# Altium PCB SOM_MCU.PcbDoc (part 3 of 4)
Units mil, origin at the board's own origin, x right, y up, seen from the top; angles counter-clockwise.
Board outline 3385.83 x 1811.02 mil, 4 copper layers (Top Layer, Mid-Layer 1, Mid-Layer 3, Bottom Layer); 107 components, 185 nets, 882 pads, 645 vias.
Unrouted connection lines stored in the file: 5.
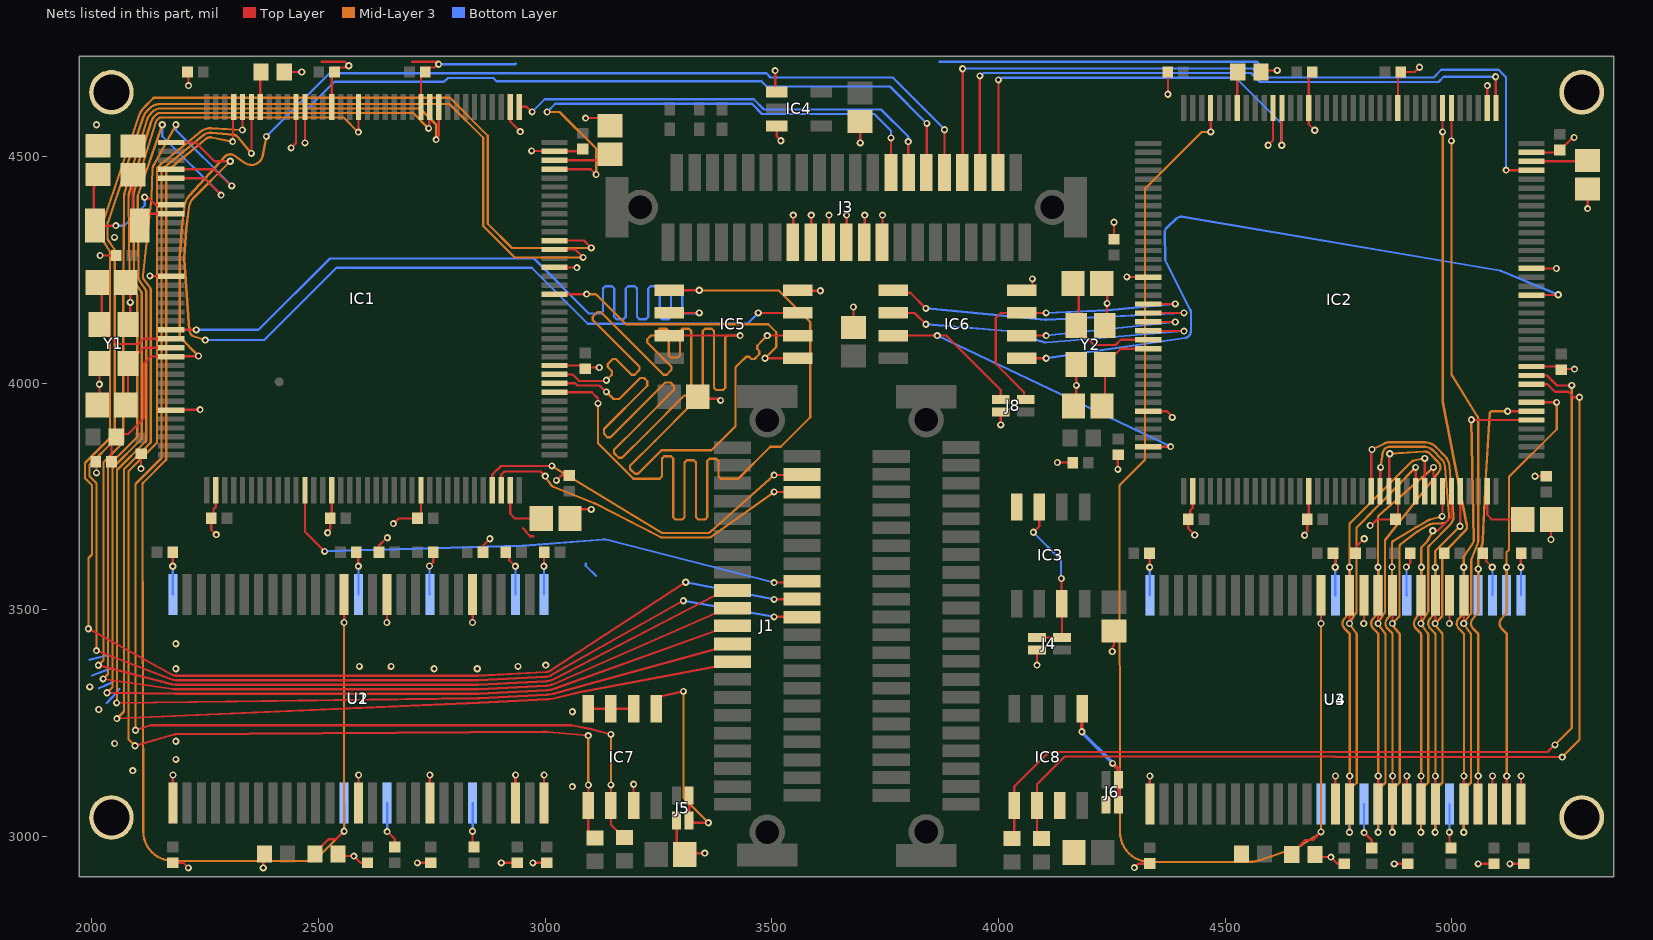
[diagram p5: the nets of this part, all layers, seen from the top]

## Via types
v1: diameter 15.75, hole 7.87, Top Layer to Bottom Layer, tented both sides, 639 vias
v2: diameter 15.75, hole 7.87, Top Layer to Bottom Layer, 4 vias
v3: diameter 23.62/23.62/23.62/23.62 (per signal layer), hole 12, Top Layer to Bottom Layer, tented top, 2 vias

## Nets (pads, with @x,y where several pads share a name; then routed paths per layer and width w, separated by ;. In a path a pad name is that pad's centre, name@x,y a point inside that pad or via, vN(x,y) a via of type N, cw(c..) or ccw(c..) an arc to the next point about the centre after c; other vN are vias at no path point) (continued)
D21: IC2.114 U3.5 U4.5 | length 1758.6
  Top Layer w5: v1@4999.43,4534.53 IC2.114@4999.43,4607.13 ; v1@5026.83,3469.93 U3.5@5026.83,3531.83
  Mid-Layer 3 w5: v1(4999.51,4534.45) 4999.51,4020.3 ccw(c5004.51,4020.3) 5000.26,4017.66 5056.42,3927.5 cw(c5043.37,3919.37) 5058.74,3919.37 5058.74,3654.37 cw(c5033.37,3654.37) 5056.93,3644.95 5043.56,3611.5 ccw(c5048.2,3609.65) 5043.2,3609.65 5043.2,3494.07 ; v1(5026.59,3009.05) 5026.59,3102.74 5042.71,3118.86 5042.71,3445.52 ; v1@5026.59,3469.64 ccw(c5031.59,3469.68) 5027.64,3466.62 5041.66,3448.55 cw(c5037.71,3445.48) 5042.71,3445.57 ; v1(5026.59,3469.68) cw(c5031.59,3469.68) 5027.68,3472.8 5042.12,3491 ccw(c5038.2,3494.11) 5043.2,3494.02
  Bottom Layer w5: v1@5026.83,3009.3 U4.5@5026.83,3071.14
D31: IC2.115 U3.7 U4.7 | length 1766.6
  Top Layer w5: v1@4963.84,3469.93 U3.7@4963.84,3531.83 ; v1@4979.9,4554.69 IC2.115@4979.9,4606.97
  Mid-Layer 3 w5: v1(4963.59,3009.05) 4963.59,3102.74 4979.72,3118.86 4979.72,3445.52 ; 4979.22,3487.33 cw(c4974.22,3487.42) 4977.76,3483.89 v1(4963.59,3469.68) 4963.59,3467.61 ccw(c4968.59,3467.62) 4964.84,3464.32 4978.47,3448.78 cw(c4974.72,3445.48) 4979.72,3445.57 ; 4979.22,3487.38 4979.22,3620.23 cw(c4984.22,3620.23) 4980.63,3623.71 5029.37,3673.63 ccw(c5018.37,3684.37) 5033.45,3687.35 4980.23,3958.71 cw(c4985.14,3959.67) 4980.14,3959.67 v1(4980.14,4554.45)
  Bottom Layer w5: v1@4963.84,3009.3 U4.7@4963.84,3071.14
D41: IC2.58 U3.8 U4.8 | length 1263.3
  Top Layer w5: IC2.58@4822.42,3761.46 4822.81,3761.85 4822.81,3852.14 v1(4824.24,3853.56) ; v1@4932.34,3469.93 U3.8@4932.34,3531.83
  Mid-Layer 3 w5: v1(4824.24,3853.56) 4852.27,3867.19 cw(c4863.37,3844.37) 4863.44,3869.74 4940.54,3869.51 cw(c4940.45,3834.13) 4965.88,3858.73 4985.2,3838.78 cw(c4959.82,3814.13) 4995.08,3817.03 5004.01,3708.15 cw(c4978.72,3706.07) 4996.82,3688.29 4951.62,3642.27 cw(c4933.52,3660.06) 4951.49,3642.15 4949.91,3640.57 ccw(c4953.47,3637.05) 4948.47,3637.05 4948.47,3497.91 ; v1(4932.1,3009.05) 4932.1,3102.74 4948.22,3118.86 4948.22,3445.52 ; 4948.22,3445.57 ccw(c4943.22,3445.48) 4947.17,3448.55 4933.15,3466.61 cw(c4937.1,3469.68) v1(4932.1,3469.68) v1(4932.1,3469.68) cw(c4937.1,3469.68) 4932.9,3472.4 4947.67,3495.23 ccw(c4943.47,3497.95) 4948.47,3497.86
  Bottom Layer w5: v1@4932.34,3009.3 U4.8@4932.34,3071.14
D51: IC2.59 U3.10 U4.10 | length 1269.1
  Top Layer w5: IC2.59@4841.95,3761.61 4842.52,3762.19 4842.52,3813.56 v1(4843.09,3814.13) ; v1@4869.35,3469.93 U3.10@4869.35,3531.83
  Mid-Layer 3 w5: v1(4843.09,3814.13) 4848.18,3846.74 cw(c4863.37,3844.37) 4863.41,3859.74 4940.53,3859.51 cw(c4940.45,3834.13) 4958.69,3851.78 4978.05,3831.79 cw(c4959.82,3814.13) 4985.11,3816.21 4994.05,3707.33 cw(c4978.72,3706.07) 4979.42,3690.71 4957.67,3689.73 ccw(c4958.37,3674.37) 4950.69,3687.69 4925.85,3673.38 ccw(c4933.52,3660.06) 4924.3,3672.36 4886.82,3644.27 ccw(c4889.81,3640.27) 4884.81,3640.27 4884.81,3487.46 ; v1(4869.1,3009.05) 4869.1,3102.74 4885.23,3118.86 4885.23,3445.52 ; 4884.81,3487.42 cw(c4879.81,3487.51) 4883.35,3483.98 v1(4869.1,3469.68) 4869.1,3467.61 ccw(c4874.11,3467.62) 4870.35,3464.32 4883.98,3448.78 cw(c4880.23,3445.48) 4885.23,3445.57
  Bottom Layer w5: v1@4869.35,3009.3 U4.10@4869.35,3071.14
D61: IC2.60 U3.11 U4.11 | length 1199.8
  Top Layer w5: v1@4837.85,3469.93 U3.11@4837.85,3531.83 ; IC2.60@4861.79,3761.46 4862.5,3762.17 4862.5,3843.5 v1(4863.37,3844.37)
  Mid-Layer 3 w5: v1(4837.61,3009.05) 4837.61,3102.74 4853.73,3118.86 4853.73,3445.52 ; v1@4837.61,3469.64 ccw(c4842.61,3469.68) 4838.66,3466.62 4852.68,3448.55 cw(c4848.73,3445.48) 4853.73,3445.57 ; v1(4837.61,3469.68) cw(c4842.61,3469.68) 4838.44,3472.45 4852.16,3493.34 ccw(c4847.98,3496.09) 4852.98,3496 ; 4852.98,3496.04 4852.98,3651.92 cw(c4857.98,3651.92) 4854.06,3655.01 4971.9,3804.62 ccw(c4959.82,3814.13) 4970.87,3824.83 4951.5,3844.83 ccw(c4940.45,3834.13) 4939.42,3849.47 v1(4863.37,3844.37)
  Bottom Layer w5: v1@4837.85,3009.3 U4.11@4837.85,3071.14
D71: IC2.63 U3.13 U4.13 | length 1050.3
  Top Layer w5: v1@4774.86,3469.93 U3.13@4774.86,3531.83 ; IC2.63@4920.75,3761.61 v1@4920.69,3813.9
  Mid-Layer 3 w5: v1(4774.62,3009.05) 4774.62,3102.74 4790.48,3118.6 4790.48,3445.78 ; v1@4774.62,3469.64 ccw(c4779.62,3469.68) 4775.65,3466.63 4789.44,3448.8 cw(c4785.48,3445.74) 4790.48,3445.83 ; v1(4774.62,3469.68) cw(c4779.62,3469.68) 4775.43,3472.42 4789.17,3493.34 ccw(c4784.99,3496.09) 4789.99,3496 ; 4789.99,3496.04 4789.99,3678.92 cw(c4794.99,3678.92) 4791.42,3682.42 v1(4920.45,3814.13)
  Bottom Layer w5: v1@4774.86,3009.3 U4.13@4774.86,3071.14
D81: IC2.64 U3.42 U4.42 | length 987.5
  Top Layer w5: U3.42@4774.86,3071.14 v1@4774.86,3132.98 ; IC2.64@4940.53,3761.46 v1(4940.45,3834.13)
  Mid-Layer 3 w5: v1(4775.11,3133.23) 4775.11,3445.38 ; 4775.11,3445.43 ccw(c4770.11,3445.34) 4773.65,3448.86 4763.72,3458.84 cw(c4774.62,3469.68) 4763.09,3479.86 4773.85,3492.03 ccw(c4770.11,3495.34) 4775.11,3495.25 ; 4775.11,3495.3 4775.11,3593.37 v1(4774.62,3593.86) 4774.62,3687.97 cw(c4779.62,3687.97) 4776.06,3691.49 4909.6,3825.02 cw(c4920.45,3814.13) 4917.24,3829.17 v1(4940.45,3834.13)
  Bottom Layer w5: U4.42@4774.86,3531.83 v1@4774.86,3593.61
D91: IC2.65 U3.44 U4.44 | length 923
  Top Layer w5: U3.44@4837.85,3071.14 v1@4837.85,3132.98 ; IC2.65@4960.12,3761.61 v1@4960.06,3813.9
  Mid-Layer 3 w5: v1(4838.1,3133.23) 4838.1,3445.38 ; 4838.1,3445.43 ccw(c4833.1,3445.34) 4836.64,3448.86 4826.71,3458.84 cw(c4837.61,3469.68) 4826.09,3479.86 4836.84,3492.03 ccw(c4833.1,3495.34) 4838.1,3495.25 ; 4838.1,3495.3 4838.1,3593.37 v1(4837.61,3593.86) 4837.61,3704.04 cw(c4842.61,3704.04) 4839.3,3707.79 v1(4959.82,3814.13)
  Bottom Layer w5: U4.44@4837.85,3531.83 v1@4837.85,3593.61
D101: IC2.66 U3.45 U4.45 | length 832.4
  Top Layer w5: U3.45@4869.35,3071.14 v1@4869.35,3132.98 ; v1(4978.72,3706.07) 4979.64,3706.99 IC2.66@4979.64,3761.7
  Mid-Layer 3 w5: 4857.51,3479.77 ccw(c4869.1,3469.68) 4858.21,3458.84 4868.14,3448.86 cw(c4864.59,3445.34) 4869.59,3445.43 ; 4857.51,3479.78 4867.14,3490.83 ccw(c4863.37,3494.11) 4868.37,3494.03 v1(4868.37,3594.37) 4868.37,3647.3 cw(c4873.37,3647.3) 4870.77,3651.57 4920.33,3681.73 cw(c4933.52,3660.06) 4920.85,3682.04 4945.7,3696.36 cw(c4958.37,3674.37) 4951.82,3698.88 v1(4978.72,3706.07) ; v1(4869.59,3133.23) 4869.59,3445.38
  Bottom Layer w5: v1(4868.37,3594.37) 4868.37,3532.76 U4.45@4869.35,3531.83
D111: IC2.67 U3.47 U4.47 | length 794
  Top Layer w5: U3.47@4932.34,3071.14 v1@4932.34,3132.98 ; v1(4958.37,3674.37) 4968.76,3674.37 4999.43,3705.03 IC2.67@4999.43,3761.61
  Mid-Layer 3 w5: v1(4932.59,3133.23) 4932.59,3445.38 ; 4932.59,3445.43 ccw(c4927.59,3445.34) 4931.13,3448.86 4921.25,3458.79 cw(c4932.1,3469.68) 4919.12,3477.93 4931.81,3497.94 ccw(c4927.59,3500.62) 4932.59,3500.53 4932.59,3593.33 v1(4933.09,3593.84) 4933.09,3635.82 cw(c4938.1,3635.82) 4934.54,3639.33 4944.41,3649.2 ccw(c4933.52,3660.06) 4947.14,3652.93 v1(4958.37,3674.37)
  Bottom Layer w5: U4.47@4932.34,3531.83 4933.09,3532.52 v1(4933.09,3593.84)
D121: IC2.68 U3.48 U4.48 | length 785.6
  Top Layer w5: U3.48@4963.84,3071.14 v1@4963.84,3132.98 ; v1(5018.37,3684.37) 5018.74,3684.74 5018.74,3760.93 IC2.68@5018.99,3761.18
  Mid-Layer 3 w5: v1(4964.08,3133.23) 4964.08,3445.38 ccw(c4959.08,3445.38) 4962.62,3448.92 4952.72,3458.81 cw(c4963.59,3469.68) 4952.08,3479.87 4962.83,3492.03 ccw(c4959.08,3495.34) 4964.08,3495.25 ; 4964.08,3495.3 4964.08,3593.37 v1(4963.84,3593.61) 4963.59,3593.86 4963.59,3627.53 cw(c4968.59,3627.53) 4965.04,3631.04 v1(5018.37,3684.37)
  Bottom Layer w5: U4.48@4963.84,3531.83 v1(4963.84,3593.61)
D131: IC2.77 U3.50 U4.50 | length 1060.6
  Top Layer w5: U3.50@5026.83,3071.14 v1@5026.83,3132.98 ; v1(5043.37,3919.37) 5043.78,3918.96 5103.03,3918.96 5103.44,3918.54 ; 5103.52,3918.62 IC2.77@5176.12,3918.62
  Mid-Layer 3 w5: v1(5027.08,3133.23) 5027.08,3445.38 ; 5027.08,3445.43 ccw(c5022.08,3445.34) 5025.62,3448.86 5015.69,3458.84 cw(c5026.59,3469.68) 5015.06,3479.86 5025.82,3492.03 ccw(c5022.08,3495.34) 5027.08,3495.25 ; 5027.08,3495.3 5027.08,3593.37 v1(5026.59,3593.86) 5026.59,3615.52 cw(c5031.59,3615.52) 5027.45,3618.33 5046.08,3645.73 ccw(c5033.37,3654.37) 5048.74,3654.68 v1(5043.37,3919.37)
  Bottom Layer w5: U4.50@5026.83,3531.83 v1@5026.83,3593.61
D141: IC2.78 U3.51 U4.51 | length 1027.1
  Top Layer w5: U3.51@5058.33,3071.14 v1@5058.33,3132.98 ; v1@5123.68,3938.15 IC2.78@5175.96,3938.15
  Mid-Layer 3 w5: v1(5058.57,3133.23) 5058.57,3445.38 ; 5058.57,3445.43 ccw(c5053.57,3445.34) 5057.12,3448.86 5047.19,3458.84 cw(c5058.08,3469.68) 5046.56,3479.86 5057.32,3492.03 ccw(c5053.57,3495.34) 5058.57,3495.25 ; 5058.57,3495.3 v1(5058.57,3589.96) 5058.57,3610.88 cw(c5063.57,3610.88) 5058.74,3612.15 5067.55,3645.27 ccw(c5033.37,3654.37) 5068.71,3652.86 5073.41,3762.97 cw(c5088.4,3762.33) 5073.42,3763.26 5084.05,3933.22 cw(c5089.04,3932.91) 5088.92,3937.91 5088.98,3937.91 v1(5123.44,3937.91)
  Bottom Layer w5: U4.51@5058.33,3531.83 5058.57,3532.02 v1(5058.57,3589.96)
D151: IC2.79 U3.53 U4.53 | length 1060.6
  Top Layer w5: U3.53@5121.32,3071.2 v1@5121.32,3132.98 ; IC2.79@5176.12,3957.99 5176.31,3957.8 5231.42,3957.8 v1(5231.61,3957.61)
  Mid-Layer 3 w5: v1(5121.56,3133.23) 5121.56,3445.38 ; 5121.56,3445.43 ccw(c5116.56,3445.34) 5120.11,3448.86 5110.18,3458.84 cw(c5121.07,3469.68) 5109.55,3479.86 5120.31,3492.03 ccw(c5116.56,3495.34) 5121.56,3495.25 ; 5121.56,3495.3 5121.56,3593.37 v1(5121.07,3593.86) 5121.07,3627.08 5126.46,3632.47 5126.46,3793.33 5231.61,3898.47 v1(5231.61,3957.61)
  Bottom Layer w5: U4.53@5121.32,3531.83 v1@5121.32,3593.61
EEPROM1_SCL: IC2.81 IC8.6 R15.1 | length 2236.4
  Top Layer w5: R15.1@4095,2995 4085,3005 IC8.6@4085,3068.23 4085,3115 4146.37,3176.37 4741.65,3176.37 4743.02,3175 v1(5244,3175) ; IC2.81@5176.18,3997.36 5211.64,3997.36 5228,3981 5257.26,3981 5269.26,3969 v1(5282,3969)
  Mid-Layer 3 w5: v1(5244,3175) 5282,3213 v1(5282,3969)
EEPROM1_SDA: IC2.82 IC8.5 R16.1 | length 2254.5
  Top Layer w5: R16.1@4030,2995 4035,3000 IC8.5@4035,3068.23 4035,3110 4095,3170 4111.37,3186.37 5211.37,3186.37 5227,3202 v1(5228,3202) ; IC2.82@5176.18,4017.05 5210.23,4017.05 5232.28,3995 v1(5265,3995)
  Mid-Layer 3 w5: v1(5228,3202) 5265,3239 v1(5265,3995)
FLASH1_CLK: IC2.22 IC6.6 | length 735.9
  Top Layer w5: IC6.6@3768.27,4155 3815,4155 v1(3840,4130) ; IC2.22@4330.67,4115.47 4330.91,4115.24 4409.14,4115.24 v1(4409.38,4115)
  Bottom Layer w5: v1(3840,4130) 4020.83,4114.97 cw(c4020,4105) 4022.99,4114.54 4100.41,4090.33 ccw(c4105,4105) 4106.28,4089.68 v1(4409.38,4115)
FLASH1_CS: IC2.91 IC6.1 | length 1580.1
  Top Layer w5: IC6.1@4051.73,4055 v1(4105,4055) ; IC2.91@5176.18,4194.21 5176.57,4194.61 5234.61,4194.61 v1(5235,4195)
  Bottom Layer w5: v1(4105,4055) 4411.6,4099.79 ccw(c4409.38,4115) 4424.75,4115 4424.75,4155 ccw(c4409.38,4155) 4423.09,4161.95 4369.65,4267.42 cw(c4383.37,4274.37) 4368,4274.05 4366.78,4332.08 cw(c4382.16,4332.4) 4371.77,4343.73 4392.9,4363.1 cw(c4403.29,4351.77) 4405.85,4366.93 5106.01,4248.66 cw(c5103.44,4233.5) 5109.39,4247.68 v1(5235,4195)
FLASH1_D0: IC2.20 IC6.5 | length 738.1
  Top Layer w5: IC6.5@3768.27,4205 3773.59,4199.68 3805.32,4199.68 v1(3840,4165) ; IC2.20@4330.67,4154.84 4330.75,4154.92 4409.3,4154.92 v1(4409.38,4155)
  Bottom Layer w5: v1(3840,4165) 4103.58,4139.69 ccw(c4105,4155) 4105.75,4139.64 v1(4409.38,4155)
FLASH1_D1: IC2.21 IC6.2 | length 399.2
  Top Layer w5: IC6.2@4051.73,4105 v1(4105,4105) ; IC2.21@4330.67,4135.16 4330.75,4135.08 4389.92,4135.08 v1(4390,4135)
  Bottom Layer w5: v1(4105,4105) v1(4390,4135)
FLASH1_D2: IC2.19 IC6.3 J8.1 | length 668.6
  Top Layer w5: J8.1@4060.12,3963.78 4056.47,3967.43 4056.47,3980 3993.86,4042.6 3993.86,4143.86 4005,4155 IC6.3@4051.73,4155 v1(4105,4155) ; IC2.19@4330.67,4174.53 4330.91,4174.76 4389.76,4174.76 v1(4390,4175)
  Bottom Layer w5: v1(4105,4155) 4240.31,4160.66 ccw(c4239.63,4176.02) 4241.08,4160.72 v1(4390,4175)
FLASH1_D3: IC2.35 IC6.7 J8.3 | length 927.5
  Top Layer w5: IC6.7@3768.27,4105 v1(3865,4105) 3885,4105 4005,3985 J8.3@4005,3963.78 ; IC2.35@4330.67,3859.57 4330.89,3859.78 4379.78,3859.78 v1(4380,3860)
  Bottom Layer w5: v1(3865,4105) v1(4380,3860)
FLASH_CLK: IC1.22 IC5.6 | length 1855.2
  Top Layer w5: IC1.22@2175.16,4117.72 v1@2230.04,4117.72 ; IC5.6@3273.27,4155 v1(3340,4155)
  Bottom Layer w5: v1(2230.11,4117.64) 2367.64,4117.64 2525,4275 2975,4275 3096.26,4153.74 3120,4153.74 3122.5,4153.74 3127.5,4158.74 3127.5,4208.74 3132.5,4213.74 3147.5,4213.74 3152.5,4208.74 3152.5,4146.3 3157.5,4141.3 3172.5,4141.3 3177.5,4146.3 3177.5,4208.74 3182.5,4213.74 3197.5,4213.74 3202.5,4208.74 3202.5,4146.3 3207.5,4141.3 3222.5,4141.3 3227.5,4146.3 3227.5,4208.74 3232.5,4213.74 3247.5,4213.74 3252.5,4208.74 3252.5,4146.3 3257.5,4141.3 3272.5,4141.3 3277.5,4146.3 3277.5,4208.74 3282.5,4213.74 3297.5,4213.74 3302.5,4208.74 3302.5,4158.74 3307.5,4153.74 3318.75,4153.74 3338.74,4153.74 v1(3340,4155)
FLASH_CS: IC1.91 IC5.1 | length 663.4
  Top Layer w5: IC1.91@3020.68,4196.44 v1(3091.21,4196.43) ; v1(3485,4055) IC5.1@3556.73,4055
  Mid-Layer 3 w5: v1(3091.21,4196.43) 3111.94,4196.43 3178.37,4130 3492.07,4130 3510,4112.07 3510,4080 v1(3485,4055)
FLASH_D0: IC1.80 IC5.5 | length 1900.3
  Top Layer w5: IC1.80@3020.67,3979.92 3102.47,3979.92 3116.48,3965.91 v1(3116.48,3955.26) ; IC5.5@3273.27,4205 v1(3340,4205)
  Mid-Layer 3 w5: v1(3116.48,3955.26) 3116.48,3918.77 3116.48,3867.41 3194.5,3789.38 3240,3789.38 3252.5,3789.38 3257.5,3794.38 3257.5,3833.52 3262.5,3838.52 3277.5,3838.52 3282.5,3833.52 3282.5,3789.38 3282.5,3704.39 3287.5,3699.39 3302.5,3699.39 3307.5,3704.39 3307.5,3789.38 3307.5,3825 3312.5,3830 3327.5,3830 3332.5,3825 3332.5,3789.38 3332.5,3704.39 3337.5,3699.39 3352.5,3699.39 3357.5,3704.39 3357.5,3789.38 3357.5,3828.36 3362.5,3833.36 3377.5,3833.36 3382.5,3828.36 3382.5,3794.38 3387.5,3789.38 3407.5,3789.38 3420,3789.38 3426.56,3789.38 3496.79,3859.62 3519.82,3859.62 3585,3924.8 3585,4135 3515.53,4204.47 3340.53,4204.47 v1(3340,4205)
FLASH_D1: IC1.81 IC5.2 | length 1854.3
  Top Layer w5: IC1.81@3020.67,3999.61 3066.25,3999.61 3070.86,3995 3120,3995 3134.25,3980.75 v1(3135,3980.75) ; v1(3490,4105) IC5.2@3556.73,4105
  Mid-Layer 3 w5: v1(3135,3980.75) 3145.37,3970.37 3150.68,3965.07 3163.34,3965.07 3209.51,4011.24 3217.97,4011.24 3225.09,4004.13 3225.09,3994.3 3129.55,3898.76 3129.55,3888.3 3137.09,3880.77 3144.16,3880.77 3189.57,3926.18 3264.92,4001.53 3276.24,4001.53 3284.3,3993.46 3284.3,3985.56 3207.25,3908.5 3151.92,3853.18 3151.92,3846.1 3162.53,3835.5 3169.6,3835.5 3224.92,3890.82 3306.96,3972.86 3314.03,3972.86 3324.63,3962.25 3324.63,3955.18 3242.6,3873.15 3187.27,3817.82 3187.27,3810.75 3197.88,3800.14 3204.95,3800.14 3256.74,3851.93 3366.93,3851.93 3420,3905 3420,4027.07 3420,4035 3428.84,4043.84 3442.98,4057.98 3450.05,4057.98 3454.77,4053.26 3461.84,4053.26 3472.45,4063.87 3472.45,4070.94 3467.73,4075.66 3467.73,4082.73 3480,4095 v1(3490,4105)
FLASH_D2: IC1.1 IC5.3 | length 2035.2
  Top Layer w5: IC1.1@2175.16,4531.1 2228.9,4531.1 2270.37,4489.63 v1(2305,4489.63) ; v1(3470,4155) IC5.3@3556.73,4155
  Mid-Layer 3 w5: v1(2250,4095) 2225.35,4103.03 cw(c2230.11,4117.64) 2214.78,4116.52 2203.68,4273.95 cw(c2238.97,4276.44) 2203.68,4278.86 2207.84,4339.01 cw(c2253.11,4335.88) 2208.08,4341.45 2213.82,4387.89 cw(c2248.93,4383.53) 2223.86,4408.49 v1(2305,4489.63)
  Bottom Layer w5: v1(2250,4095) 2380,4095 2539.6,4254.6 2970.4,4254.6 3093.7,4131.3 3446.3,4131.3 v1(3470,4155)
FLASH_D3: IC1.82 IC5.7 | length 1737.6
  Top Layer w5: IC1.82@3020.67,4019.29 3060.71,4019.29 3075,4005 3133.5,4005 v1(3135,4006.5) ; IC5.7@3273.27,4105 v1(3430,4105)
  Mid-Layer 3 w5: v1(3135,4006.5) 3145.78,4017.27 3147.54,4019.04 3147.54,4026.11 3138.22,4035.43 3138.22,4042.5 3148.83,4053.11 3155.9,4053.11 3190.24,4018.77 3197.31,4018.77 3207.91,4029.38 3207.91,4036.45 3105.12,4139.25 3105.12,4146.32 3115.72,4156.93 3122.79,4156.93 3260.95,4018.77 3268.02,4018.77 3278.63,4029.38 3278.63,4036.45 3225.33,4089.75 3225.33,4096.82 3233.5,4105 3240,4105 3242.5,4105 3247.5,4110 3247.5,4115 3252.5,4120 3267.5,4120 3272.5,4115 3272.5,4061.72 3277.5,4056.72 3292.5,4056.72 3297.5,4061.72 3297.5,4115 3302.5,4120 3317.5,4120 3322.5,4115 3322.5,3990 3327.5,3985 3342.5,3985 3347.5,3990 3347.5,4115 3352.5,4120 3367.5,4120 3372.5,4115 3372.5,3990 3377.5,3985 3392.5,3985 3397.5,3990 3397.5,4100 3402.5,4105 3410,4105 v1(3430,4105)
FMC_A21_RS: IC1.4 J1.17 | length 3062
  Top Layer w5: v1(2055,3260) 2853.27,3294.7 ccw(c2850,3370) 2853.86,3294.73 3005.11,3302.55 ccw(c3001.16,3377.82) 3018.47,3304.46 3080.45,3319.08 cw(c3082.2,3311.79) 3080.82,3319.16 3374.41,3374.11 J1.17@3412.91,3385.61 ; IC1.4@2175.16,4472.05 2269.2,4472.05 2305.96,4435.29 v1(2308.31,4435.29)
  Mid-Layer 3 w5: v1(2055,3260) 2070.71,3275.71 2070.71,3809.85 2129.78,3868.93 2129.78,4206.43 ccw(c2124.78,4206.38) 2128.82,4209.34 2115.49,4227.56 cw(c2127.91,4236.61) 2112.63,4238.29 2131.49,4408.36 ccw(c2116.21,4410.11) 2131.58,4409.62 2133.6,4473.27 cw(c2148.6,4472.79) 2135.45,4480.01 v1(2185,4570)
  Bottom Layer w5: v1(2185,4570) 2185,4558.6 v1(2308.31,4435.29)
FMC_A22_RS: IC1.5 J1.19 | length 3024.7
  Top Layer w5: v1(2054.32,3294.53) 2850.91,3304.63 ccw(c2850,3370) 2853.35,3304.71 3004.54,3312.53 ccw(c3001.16,3377.82) 3018.57,3314.81 3374.41,3413.11 J1.19@3412.91,3424.61 ; IC1.5@2175.16,4452.36 2247.64,4452.36 v1(2285,4415)
  Mid-Layer 3 w5: v1(2054.32,3294.53) 2055.33,3295.55 2055.33,3808.62 2119.78,3873.07 2119.78,4202.29 ; 2119.78,4202.33 ccw(c2114.78,4202.24) 2118.89,4205.09 2107.08,4222.13 cw(c2127.91,4236.61) 2102.54,4236.43 2100.84,4409.96 cw(c2116.21,4410.11) 2101.66,4415.07 v1(2155,4570)
  Bottom Layer w5: v1(2155,4570) 2155,4545 v1(2285,4415)
FMC_NE1_CS: IC1.97 J1.24 | length 4201.3
  Top Layer w5: v1(1992.12,3458.2) 2177.66,3356.49 ccw(c2185,3370) 2185,3354.63 2850,3354.63 ccw(c2850,3370) 2850.77,3354.65 3001.95,3362.47 ccw(c3001.16,3377.82) 3009.55,3364.94 v1(3310.11,3560.79) ; IC1.97@3020.67,4314.57 3020.89,4314.78 3085.32,4314.78 v1(3101.63,4298.47) ; v1(3504.9,3523.02) 3566.32,3523.02 J1.24@3566.91,3523.61
  Mid-Layer 3 w5: v1(1992.12,3458.2) 1992.12,3614.11 2000,3621.99 2000,3775 1984.59,3790.41 1984.59,3823.73 2040,3879.14 2040,4287.93 ccw(c2035,4287.93) 2039.22,4290.61 2028.2,4307.97 cw(c2049.63,4321.57) 2024.25,4321.57 2024.25,4350 cw(c2049.63,4350) 2025.57,4358.06 2102.5,4587.6 cw(c2155,4570) 2115.76,4609.07 2135.24,4628.55 cw(c2138.76,4625) 2138.76,4630 2789.14,4630 2873.48,4545.66 2873.48,4351.52 2926.53,4298.47 v1(3101.63,4298.47)
  Bottom Layer w5: v1(3310.11,3560.79) v1(3504.9,3523.02)
FMC_NE4_CS: IC1.127 J1.21 | length 3227.6
  Top Layer w5: v1(2033.15,3316.85) 2184.19,3314.63 ccw(c2185,3370) 2185,3314.63 2850,3314.63 ccw(c2850,3370) 2852.81,3314.7 3004.05,3322.52 ccw(c3001.16,3377.82) 3019.85,3325.7 3374.41,3453.11 J1.21@3412.91,3464.61 ; v1(2587.72,4553.81) 2587.9,4553.98 2587.9,4609.2 IC1.127@2588.07,4609.37
  Mid-Layer 3 w5: v1(2033.15,3316.85) 2045.33,3329.03 2045.33,3812.76 2109.78,3877.21 2109.78,4198.15 ; 2109.78,4198.19 ccw(c2104.78,4198.1) 2108.98,4200.82 2098.24,4217.36 cw(c2127.91,4236.61) 2092.54,4236.29 2090.84,4409.88 cw(c2116.21,4410.11) 2091.95,4417.52 2140.31,4574.53 cw(c2155,4570) 2144.19,4580.94 2147.94,4584.63 cw(c2151.45,4581.08) 2151.36,4586.08 ; 2151.41,4586.08 2555.45,4586.08 v1(2587.72,4553.81)
FMC_NOE_RD: IC1.118 J1.25 | length 3456.7
  Top Layer w5: v1(2014.28,3377.66) 2176.13,3335.76 ccw(c2185,3370) 2185,3334.63 2850,3334.63 ccw(c2850,3370) 2851.8,3334.67 3003.01,3342.49 ccw(c3001.16,3377.82) 3017.42,3346.4 3374.41,3531.11 J1.25@3412.91,3542.61 ; v1(2759.31,4537.37) 2759.31,4540.18 2765.24,4546.11 IC1.118@2765.24,4609.37
  Mid-Layer 3 w5: v1(2014.28,3377.66) 2025.33,3388.72 2025.33,3825.33 2067.57,3867.57 ; 2067.59,3867.59 ccw(c2064.01,3871.08) 2069.01,3871.08 2069.04,4178.27 cw(c2084.41,4178.27) 2069.04,4178.34 2070.84,4410.46 cw(c2116.21,4410.11) 2072.84,4423.44 2121.19,4580.41 cw(c2155,4570) 2129.94,4594.96 2133.78,4598.81 cw(c2151.41,4581.08) 2151.41,4606.08 2358.88,4606.08 2723.92,4606.08 2759.31,4570.69 v1(2759.31,4537.37)
FMC_NWE_WE: IC1.119 J1.23 | length 3381
  Top Layer w5: v1(2024.66,3347.45) 2178.48,3325.1 ccw(c2185,3370) 2185,3324.63 2850,3324.63 ccw(c2850,3370) 2852.31,3324.69 3003.5,3332.51 ccw(c3001.16,3377.82) 3019.35,3336.25 3374.41,3492.11 J1.23@3412.91,3503.61 ; v1(2742.67,4562.03) 2744.11,4563.48 2744.11,4607.93 IC1.119@2745.55,4609.37
  Mid-Layer 3 w5: v1(2024.66,3347.45) 2035.33,3358.12 2035.33,3816.9 2099.78,3881.35 2099.78,4194 ; 2099.78,4194.05 ccw(c2094.78,4193.96) 2099.05,4196.56 2089.01,4213.25 cw(c2127.91,4236.61) 2082.54,4236.17 2080.84,4409.76 cw(c2116.21,4410.11) 2082.41,4420.52 2130.75,4577.47 cw(c2155,4570) 2137.03,4587.91 2140.84,4591.72 cw(c2151.41,4581.08) 2151.41,4596.08 2354.74,4596.08 2708.62,4596.08 v1(2742.67,4562.03)
GND: C1.2 C2.2 C3.1 C4.1 C5.1 C6.1 C7.1 C8.1 C9.1 C10.1 C11.2 C12.2 C13.2 C14.2 C15.2 C16.2 C17.2 C18.2 C19.2 C20.2 C21.2 C22.2 C23.2 C24.2 C25.2 C26.2 C27.2 C28.2 C29.2 C30.2 C31.2 C32.2 C33.2 C34.2 C35.2 C36.2 C37.2 C38.2 C39.2 C40.2 C41.2 C42.2 C43.2 C44.2 C45.2 C46.2 C47.2 C48.2 C49.2 C50.2 C51.2 C52.2 C53.2 C54.2 C55.2 C56.2 C57.2 C58.2 C59.2 C60.2 C61.1 C62.1 C63.1 C64.1 C65.1 C66.1 C67.1 C68.1 IC1.16 IC1.31 IC1.38 IC1.51 IC1.61 IC1.83 IC1.94 IC1.107 IC1.120 IC1.130 IC2.16 IC2.31 IC2.38 IC2.51 IC2.61 IC2.83 IC2.94 IC2.107 IC2.120 IC2.130 IC3.4 IC4.1 IC4.3 IC5.4 IC6.4 IC7.7 IC8.7 J3.17 J3.19 J3.21 J3.23 J3.25 J3.27 J4.4 J5.3 J6.3 J8.4 pad.7 R1.2 R2.2 R7.1 R9.1 R10.1 R12.1 U1.6 U1.12 U1.28 U1.41 U1.46 U1.52 U1.54 U2.6 U2.12 U2.28 U2.41 U2.46 U2.52 U2.54 U3.6 U3.12 U3.28 U3.41 U3.46 U3.52 U3.54 U4.6 U4.12 U4.28 U4.41 U4.46 U4.52 U4.54 Y1.2 Y1.4 Y2.2 Y2.4 | length 8395.3
  Top Layer w5: C7.1@2008.27,3826.61 2010.59,3824.29 2009.96,3823.66 v1(2009.96,3801.99) ; C5.1@2016.42,3951.61 v1(2016.42,3997.46) Y1.2@2016.42,4043.31 ; v1(2017.91,4281.61) C12.2@2053.27,4281.61 ; Y1.4@2079.41,4129.92 2084.41,4134.92 v1(2084.41,4178.27) C3.1@2084.41,4221.61 ; v1@2085,3145 v1(2090,3145) ; v1(2108.13,3811.39) 2108.13,3844.34 C13.2@2108.36,3844.57 ; v1(2127.91,4236.61) 2128.7,4235.83 IC1.16@2175.16,4235.83 ; U1.28@2170.96,3091.26 U1.28@2178.46,3083.76 ; IC1.31@2175.16,3940.55 2175.69,3941.08 2238.02,3941.08 v1(2238.55,3941.61) ; C33.2@2177.91,2941.97 2178.27,2941.61 2201.52,2941.61 v1(2212.78,2930.35) ; C40.2@2177.91,3626.61 2178.22,3626.31 v1(2178.22,3596.1) ; v1@2178.46,3135.23 U1.28@2178.46,3083.76 ; C11.2@2210.59,4686.61 2212.91,4684.29 v1(2212.91,4656.61) ; IC1.38@2273.11,3763.86 2273.11,3726.81 2267.91,3721.61 2267.91,3706.26 C21.2@2263.27,3701.61 2263.27,3676.73 v1(2274.13,3665.87) ; v1@2377.91,2926.61 v1(2377.91,2930.35) 2377.91,2958.98 R10.1@2380.55,2961.61 ; R1.2@2424.09,4686.61 2424.19,4686.51 v1(2462.84,4686.51) ; 2506.72,4709.11 2557.75,4709.11 v1(2566.49,4700.37) ; v1(2520,3670) 2520,3672.91 2525.59,3678.5 C20.2@2525.59,3701.61 2529.02,3705.04 IC1.51@2529.02,3763.86 ; IC1.130@2529.02,4609.37 2529.02,4693.07 C14.2@2532.56,4696.61 ; C14.2@2535.24,4686.61 2535.24,4687.4 2544.55,4696.71 2558.43,4696.71 2562.09,4700.37 v1@2565,4700.37 ; R7.1@2542.91,2961.61 2547.91,2956.61 v1(2577.91,2956.61) 2592.56,2941.97 C34.2@2607.91,2941.97 ; C41.2@2582.91,3626.61 2587.67,3621.86 v1(2587.67,3596.1) ; U1.41@2587.91,3073.39 v1@2587.91,3135.23 ; C46.2@2633.27,3626.61 2633.27,3641.71 2650.55,3658.99 v1(2651.64,3658.99) ; v1@2650.91,3472.17 U1.12@2650.91,3534.02 ; v1(2651.31,3010.65) 2667.91,2994.04 C35.2@2667.91,2976.61 ; v1@2655,3370 v1(2660,3375) ; v1(2665,3690) 2676.61,3701.61 C19.2@2718.17,3701.61 ; 2706.72,4709.11 v1@2760.89,4709.11 ; v1(2717.91,2941.61) 2747.56,2941.61 C36.2@2747.91,2941.97 ; C19.2@2720.59,3701.61 2725.87,3706.89 IC1.61@2725.87,3763.86 ; IC1.120@2725.87,4609.37 2725.87,4689.92 C15.2@2732.56,4696.61 ; C15.2@2735.24,4686.61 2735.24,4687.4 2744.55,4696.71 2755.02,4696.71 2762.05,4703.74 v1(2764.84,4703.74) v1@2761.02,4707.56 ; v1(2744.74,3596.61) 2752.91,3604.79 C42.2@2752.91,3626.61 ; U1.46@2745.39,3073.39 v1@2745.39,3135.23 ; v1(2839.64,3011.3) 2839.64,2979.89 C37.2@2842.91,2976.61 ; v1(2839.64,3471.93) U1.6@2839.64,3533.77 ; v1@2839.88,3472.17 U1.6@2839.88,3534.02 ; v1@2840.13,3472.42 U1.6@2840.13,3534.26 ; v1@2840.37,3472.17 U1.6@2840.37,3569.01 ; C43.2@2862.56,3626.61 2862.56,3641.26 v1(2877.91,3656.61) ; v1(2902.91,2941.61) 2937.56,2941.61 C38.2@2937.91,2941.97 ; C44.2@2912.91,3626.61 2920.77,3618.76 2920.77,3609.46 v1(2934.13,3596.1) ; U1.52@2934.13,3073.2 v1@2934.13,3135.47 ; U1.52@2934.37,3073.39 v1@2934.37,3135.23 ; U1.52@2934.62,3073.63 v1(2934.62,3135.47) ; U1.52@2934.86,3038.38 v1@2934.86,3135.23 ; 2951,3680 2958.33,3672.67 2958.33,3670.95 2967.28,3662 2974,3662 ; v1(2970,4512.62) 2970.6,4512.02 3020.07,4512.02 IC1.107@3020.67,4511.42 3077.72,4511.42 C16.2@3082.91,4516.61 ; v1(2972.91,2941.61) 3002.95,2941.61 C39.2@3003.31,2941.97 ; v1(2997.12,3596.1) 2997.12,3625.82 C45.2@2997.91,3626.61 ; U1.54@2997.36,3073.39 v1@2997.36,3135.23 ; IC1.83@3020.67,4038.98 3080.91,4038.98 C17.2@3087.91,4031.97 3090.52,4034.57 v1(3119.31,4034.57) 3119.74,4035 v1@3120,4035 ; IC1.94@3020.67,4255.51 3020.93,4255.26 3069.74,4255.26 v1(3070,4255) ; v1(3024.62,3785.38) 3035.86,3796.61 3052.56,3796.61 C18.2@3052.91,3796.26 ; C9.1@3054.41,3701.61 3074.35,3721.56 v1(3101.43,3721.56) ; v1(3089.23,4584.9) 3126.13,4584.9 C1.2@3151.07,4559.96 ; IC7.7@3195,3068.23 v1(3195,3115) ; J5.3@3290,3034.88 3290,2977.99 C65.1@3307.99,2960 3310.99,2963 v1(3352,2963) ; C63.1@3336.5,3970 3340.66,3965.84 3380.25,3965.84 3384.09,3962 v1(3387,3962) ; v1(3507.34,4689.75) 3507.34,4645.85 IC4.1@3510.79,4642.4 ; IC4.3@3510.79,4567.6 3510.79,4544.21 v1(3520,4535) ; J3.27@3547.12,4312.12 v1(3547.12,4370.75) ; IC5.4@3556.73,4205 3557.73,4204 v1(3607,4204) ; J3.25@3587.12,4312.12 v1(3587.12,4370.75) ; J3.23@3626.12,4312.12 v1(3626.12,4370.75) ; J3.21@3665.12,4312.12 v1(3665.12,4370.75) ; C64.1@3680,4122.99 v1(3680,4168) ; v1(3695,4530) C61.1@3695,4577.01 ; J3.19@3705.12,4312.12 v1(3705.12,4370.75) ; J3.17@3744.12,4312.12 v1(3744.12,4370.75) ; v1(4005,3908) J8.4@4005,3936.22 ; IC6.4@4051.73,4205 4064.7,4205 4075,4215.3 v1(4075,4230) ; v1(4085,3378) J4.4@4085,3411.22 ; v1(4130,3825) 4163.15,3825 C8.1@4163.78,3824.37 ; C6.1@4171.93,3949.37 v1(4171.93,3995.22) Y2.2@4171.93,4041.06 ; Y2.4@4234.92,4127.68 4239.92,4132.68 4239.63,4132.97 v1(4239.63,4176.02) ; v1@4239.92,4176.02 C4.1@4239.92,4219.37 ; v1(4251.12,3407.88) 4251.54,3408.3 4251.54,3418.25 4255,3421.72 C62.1@4255,3453.5 ; C23.2@4255,4317.32 v1(4255,4355) ; v1(4263.43,3809.71) C22.2@4263.43,3841.88 ; v1(4283.43,4234.37) 4329.88,4234.37 IC2.16@4330.67,4233.58 ; v1(4300,2931) 4308.72,2939.72 C47.2@4333.37,2939.72 ; U3.28@4326.42,3089.02 U3.28@4333.92,3081.52 ; IC2.31@4330.67,3938.31 4330.82,3938.15 4371.94,3938.15 4383.61,3926.48 v1(4383.61,3924.55) ; C60.2@4333.43,3624.37 4333.67,3624.06 v1(4333.67,3593.86) ; v1@4333.92,3132.98 U3.28@4333.92,3081.52 ; C24.2@4373.27,4686.61 4373.9,4685.99 v1(4373.9,4637.55) ; IC2.38@4428.62,3761.61 4428.62,3724.57 4423.43,3719.37 4423.43,3704.02 C29.2@4418.78,3699.37 4418.78,3679.22 v1(4433,3665) ; R12.1@4534.86,2958.22 R12.1@4536,2959.37 ; R2.2@4579.09,4686.61 4582.48,4690 v1(4615,4690) ; v1@4675.51,3667.28 4681.1,3672.87 C30.2@4681.1,3695.98 ; C30.2@4681.1,3699.37 4684.53,3702.8 IC2.51@4684.53,3761.61 ; C25.2@4692.56,4686.61 4684.53,4678.58 IC2.130@4684.53,4607.13 4684.53,4571.47 v1(4698,4558) ; R9.1@4698.37,2959.37 4703.37,2954.37 v1(4733.37,2954.37) 4748.01,2939.72 C48.2@4763.43,2939.72 ; C59.2@4738.37,3624.37 4743.12,3619.62 v1(4743.12,3593.86) ; U3.41@4743.37,3071.14 v1@4743.37,3132.98 ; C58.2@4788.72,3624.37 4788.72,3639.47 4806,3656.75 v1(4807.09,3656.75) ; v1@4806.36,3469.93 U3.12@4806.36,3531.83 ; v1(4806.76,3008.41) 4823.37,2991.8 C49.2@4823.43,2974.37 ; v1(4820,3686) 4822,3686 4835.37,3699.37 C31.2@4876.1,3699.37 4881.38,3704.65 IC2.61@4881.38,3761.61 ; v1(4873.37,2939.37) 4903.01,2939.37 C50.2@4903.43,2939.72 ; IC2.120@4881.38,4607.13 4881.38,4680.43 C26.2@4887.56,4686.61 4918.61,4686.61 v1(4929,4697) ; v1(4900.19,3594.37) 4908.37,3602.55 C57.2@4908.43,3624.37 ; U3.46@4900.85,3071.14 v1@4900.85,3132.98 ; v1(4995.09,3009.05) 4995.09,2977.65 C51.2@4998.43,2974.37 ; v1@4995.33,3469.93 U3.6@4995.33,3531.83 ; v1(5058.37,2939.37) 5093.01,2939.37 C52.2@5093.43,2939.72 ; C55.2@5068.43,3624.37 5076.22,3616.51 5076.22,3607.21 v1(5089.58,3593.86) ; U3.52@5089.82,3071.14 v1@5089.82,3132.98 ; v1(5128.37,2939.37) 5158.41,2939.37 C53.2@5158.82,2939.72 ; v1(5152.57,3593.86) 5152.57,3623.57 C54.2@5153.43,3624.37 ; U3.54@5152.81,3071.14 v1@5152.81,3132.98 ; IC2.83@5176.18,4036.73 C32.2@5236.42,4036.73 ; IC2.94@5176.18,4253.27 5176.31,4253.13 5230.87,4253.13 v1(5231,4253) ; IC2.107@5176.18,4509.17 5233.23,4509.17 C27.2@5238.43,4514.37 5239.21,4514.37 5261.02,4536.18 5265.84,4541 5269,4541 v1(5270,4542) ; v1(5183.8,3794.72) C28.2@5208.07,3794.72 ; v1(5219.17,3655.12) C10.1@5219.17,3698.62 ; C32.2@5242.05,4029.64 5243.41,4031 v1(5271,4031) ; v1(5300,4385) C2.2@5300,4428.5 ; U1.28@2178.46,3083.76 U1.28@2178.46,3073.39 U1.28@2178.46,3083.76 ; U3.28@4333.92,3081.52 4333.92,3071.14 U3.28@4333.92,3081.52
  Bottom Layer w5: 1994.34,3389.64 2032.03,3398.86 ; 2000,3355 2040,3370 ; 2015.39,3327.08 2030.45,3333.21 ccw(c2024.66,3347.45) 2031.18,3333.53 2045,3340 ; 2032.63,3294.2 2043.26,3305.21 cw(c2054.32,3294.53) 2043.45,3305.4 2044.02,3305.98 ccw(c2033.15,3316.85) 2044.95,3306.99 2060,3325 ; U2.28@2178.46,3534.02 v1@2178.46,3595.86 ; U2.41@2587.91,3534.02 v1@2587.91,3595.86 ; U2.12@2650.91,3073.39 2651.31,3072.99 v1(2651.31,3010.65) ; v1(2744.74,3596.61) 2744.74,3534.67 U2.46@2745.39,3534.02 ; v1(2764.84,4703.74) 2933.74,4703.74 2935,4705 ; v1@2839.88,3011.54 U2.6@2839.88,3073.39 ; U2.52@2934.37,3534.02 v1@2934.37,3595.86 ; U2.54@2997.36,3534.02 v1@2997.36,3595.86 ; 3089.68,3601.98 3089.68,3597.32 3112,3575 ; 3870,4709.11 4570.89,4709.11 4575,4705 ; U4.28@4333.92,3531.83 v1@4333.92,3593.61 ; v1(4743.12,3593.86) 4743.12,3608.12 4745,3610 ; U4.41@4743.37,3531.83 v1@4743.37,3593.61 ; U4.12@4806.36,3071.14 4806.76,3070.74 v1(4806.76,3008.41) ; v1(4900.19,3594.37) 4900.19,3532.43 U4.46@4900.85,3531.83 ; v1@4995.33,3009.3 U4.6@4995.33,3071.14 ; U4.52@5089.82,3531.83 v1@5089.82,3593.61 ; U4.54@5152.81,3531.83 v1@5152.81,3593.61
  other v1: 3060,3110 4334.16,3133.23 4743.61,3133.23 4901.09,3133.23 5090.07,3133.23 5153.06,3133.23 2178.71,3135.47 2588.16,3135.47 2745.64,3135.47 2997.61,3135.47 2185,3170 2050,3205 2185,3210 3060,3275 2015,3280 1995,3330 2185,3370 2755,3370 2850,3370 2590,3375 2940,3375 3001.16,3377.82 2185,3425 4806.11,3469.68 4995.09,3469.68 2650.66,3471.93 4675.51,3664.37 2049.63,4321.57 2010,4570
GUI_NRST: C7.2 IC1.25 J3.10 R5.2 | length 2720.5
  Top Layer w5: C7.2@2042.91,3826.61 2042.91,3871.02 2059.84,3887.95 2079.97,3887.95 2114.55,3922.53 2114.55,4043.25 2129.96,4058.66 IC1.25@2175.16,4058.66 2175.83,4059.33 2234.33,4059.33 v1(2235,4060) ; J3.10@3881,4465 v2(3881,4559)
  Mid-Layer 3 w5: v1(2235,4060) 2195.06,4099.94 cw(c2198.61,4103.46) 2193.61,4103.46 2193.6,4276.43 cw(c2238.97,4276.44) 2193.7,4279.57 2197.87,4339.7 cw(c2253.11,4335.88) 2198.15,4342.64 2203.89,4389.08 cw(c2248.93,4383.53) 2215.38,4414.08 2293.63,4499.98 cw(c2305,4489.63) 2313.77,4502.26 2337.5,4485.92 ccw(c2351.85,4506.85) 2376.78,4502.14 v1(2384.77,4544.37)
  Bottom Layer w5: v1(2384.77,4544.37) 2523.91,4683.51 3488.06,4683.51 3497.19,4674.38 3766.62,4674.38 3881,4560 v2(3881,4559)
GUI_PB2: IC1.48 J1.26 | length 1220.3
  Top Layer w5: IC1.48@2469.96,3763.86 2469.96,3672.23 v1(2513.3,3628.89) ; v1(3505,3560) 3564.3,3560 J1.26@3566.91,3562.61
  Bottom Layer w5: v1(2513.3,3628.89) 2950.72,3641.09 ccw(c2950.25,3656.46) 2951.46,3641.13 3128.77,3655.32 cw(c3130,3640) 3133.81,3654.89 v1(3505,3560)
I2C2_SCL: IC1.69 J1.38 | length 816.3
  Top Layer w5: IC1.69@2883.35,3763.86 2883.35,3798.35 2902.48,3817.48 v1(3014.8,3817.48) ; v1(3505.04,3797.18) 3565.48,3797.18 J1.38@3566.91,3798.61
  Mid-Layer 3 w5: v1(3014.8,3817.48) 3256.14,3670.69 ccw(c3261.34,3679.23) 3261.34,3669.23 3357.36,3669.23 ccw(c3357.36,3679.23) 3364,3671.76 v1(3505.04,3797.18)
I2C2_SDA: IC1.70 J1.36 | length 774.4
  Top Layer w5: IC1.70@2903.03,3763.86 2903.03,3798.18 2910,3805.15 2989.85,3805.15 v1(3000,3795) ; v1(3504.88,3760) 3566.53,3760 J1.36@3566.91,3759.61
  Mid-Layer 3 w5: v1(3000,3795) 3011.77,3776.95 ccw(c3024.62,3785.38) 3018.87,3771.12 3107.14,3735.83 cw(c3101.43,3721.56) 3108.45,3735.24 3252.2,3661.44 ccw(c3261.34,3679.23) 3261.34,3659.23 3357.36,3659.23 ccw(c3357.36,3679.23) 3368.98,3662.95 v1(3504.88,3760)
I2C4_SCL: IC1.139 IC7.6 R13.1 | length 2902.5
  Top Layer w5: v1(2096.09,3234.29) 2126.85,3244.49 cw(c2130,3235) 2130,3245 3057.72,3245 cw(c3057.72,3235) 3059.59,3244.82 3097.75,3237.57 cw(c3094.87,3222.46) 3098.84,3237.32 v1(3145,3225) ; v1(2351.85,4506.85) IC1.139@2351.85,4609.37 ; v1(3145.04,3113.49) 3145.04,3068.27 IC7.6@3145,3068.23 3145,3025.43 3173.03,2997.4 R13.1@3175,2997.4
  Mid-Layer 3 w5: v1(2096.09,3234.29) 2096.09,3777.6 2153.6,3835.11 2153.6,4468.65 cw(c2158.6,4468.65) 2155.04,4472.17 2158.03,4475.15 cw(c2168.6,4464.51) 2159.09,4476.11 2245.04,4546.73 cw(c2261.15,4527.12) 2263.35,4552.4 2311.52,4548.21 cw(c2310.19,4532.89) 2322.01,4542.73 v1(2351.85,4506.85) ; v1(3145.04,3113.49) v1(3145,3225)
I2C4_SDA: IC1.140 IC7.5 R14.1 | length 2813.9
  Top Layer w5: v1(2095,3200) 2180.73,3224.77 cw(c2185,3210) 2184.9,3225.37 2996.97,3230.84 cw(c2997.61,3135.47) 3006.17,3230.46 v1(3094.87,3222.46) ; v1(2331.77,4558.49) 2331.97,4558.69 2331.97,4609.17 IC1.140@2332.17,4609.37 ; v1(3095.4,3113.44) 3095.4,3068.62 IC7.5@3095,3068.23 3095,3010.41 3109.23,2996.18 R14.1@3110,2996.18
  Mid-Layer 3 w5: v1(2095,3200) 2080.71,3214.29 2080.71,3805.71 2143.6,3868.6 2143.6,4472.79 cw(c2148.6,4472.79) 2145.04,4476.31 2150.97,4482.24 cw(c2168.6,4464.51) 2152.72,4483.82 2238.71,4554.46 cw(c2261.15,4527.12) 2263.18,4562.44 v1(2331.77,4558.49) ; v1(3094.87,3222.46) 3095.13,3222.2 3095.13,3113.7 v1(3095.4,3113.44)
JTAG_JTDI: IC1.110 IC2.110 | length 113.1
  Top Layer w5: IC1.110@2922.72,4609.37 2922.72,4577.28 v1(2945,4555) ; IC2.110@5078.23,4607.13 5078.47,4607.37 5078.47,4656.15 v1(5078.71,4656.39)
JTAG_RST: IC1.134 IC2.134 | length 181.3
  Top Layer w5: v1(2439.48,4519.18) 2450.28,4529.98 IC1.134@2450.28,4609.37 ; v1(4595,4525) 4605.79,4535.79 IC2.134@4605.79,4607.13
JTAG_SWCLK: IC1.109 IC2.109 J3.6 J3.14 | length 2424.8
  Top Layer w5: IC1.109@2942.4,4609.37 2943.03,4610 2958.62,4610 2970,4598.62 v1(2971.23,4598.62) ; v2(3801,4533) 3801,4466 J3.14@3802,4465 ; v1(3959,4678) 3959,4466 J3.6@3960,4465 ; v1(5097.02,4676.03) 5097.47,4675.58 5097.47,4607.57 IC2.109@5097.91,4607.13
  Bottom Layer w5: v1(2971.23,4598.62) 2998.94,4626.33 3460.39,4626.33 3482.73,4603.99 3741.01,4603.99 3801,4544 v2(3801,4533) ; v1(3959,4678) 3960.94,4678 3967.3,4684.36 4557.14,4684.36 4576.88,4664.63 4971.17,4664.63 4982.57,4676.03 v1(5097.02,4676.03)
JTAG_SWDIO: IC1.105 IC2.105 J3.8 J3.16 | length 2889.9
  Top Layer w5: IC1.105@3020.67,4472.05 3020.78,4472.16 3100.65,4472.16 v1(3112.36,4460.45) ; J3.16@3763,4465 v2(3763,4541) ; J3.8@3920,4465 3921,4466 v1(3921,4693.74) ; v1(5120,4470) 5120.1,4469.9 5176.08,4469.9 IC2.105@5176.18,4469.8
  Mid-Layer 3 w5: v1(3004.08,4598.3) 3031.7,4598.3 3112.36,4517.64 v1(3112.36,4460.45)
  Bottom Layer w5: v1(3004.08,4598.3) 3022.11,4616.33 3456.24,4616.33 3478.58,4593.99 3726.01,4593.99 3763,4557 v2(3763,4541) ; v1(3921,4693.74) 3921.62,4694.36 4561.29,4694.36 4581.02,4674.63 4960.21,4674.63 4976.99,4691.4 5103.39,4691.4 5120,4674.79 v1(5120,4470)
JTAG_SWO: IC1.133 IC2.133 J3.4 J3.12 | length 2705.2
  Top Layer w5: v1(2470,4530) IC1.133@2469.96,4609.37 ; J3.12@3841,4465 3842,4466 v2(3842,4573) ; J3.4@3999,4465 4000,4466 v1(4000,4668.99) ; v1(4625,4525) 4625.24,4525.24 4625.24,4606.89 IC2.133@4625.47,4607.13
  Bottom Layer w5: v1(2470,4530) 2470,4600 2535,4665 2776.83,4665 2785.34,4673.51 2885.13,4673.51 2892.31,4666.33 3476.95,4666.33 3488.91,4654.38 3760.62,4654.38 v2(3842,4573) ; v1(4000,4668.99) 4002.91,4668.99 4007.85,4673.93 4523.63,4673.93 4625,4572.55 v1(4625,4525)
LCD_RESET: IC1.96 J1.22 | length 4148.6
  Top Layer w5: v1(2009.63,3410) 2175.92,3346.3 ccw(c2185,3370) 2185,3344.63 2850,3344.63 ccw(c2850,3370) 2851.28,3344.66 3002.47,3352.48 ccw(c3001.16,3377.82) 3013.62,3355.72 v1(3305,3520) ; IC1.96@3020.67,4294.88 IC1.96@3020.67,4294.88 3066.1,4294.94 v1(3083.67,4277.37) ; v1(3505.12,3484.39) 3566.14,3484.39 J1.22@3566.91,3483.61
  Mid-Layer 3 w5: v1(2009.63,3410) 2010,3410.37 2010,3779.14 1994.59,3794.56 1994.59,3819.59 2050,3875 2050,4292.93 ccw(c2045,4292.88) 2049.08,4295.78 2037.09,4312.67 cw(c2049.63,4321.57) 2034.25,4321.57 2034.25,4350 cw(c2049.63,4350) 2035.06,4354.91 2111.97,4584.39 cw(c2155,4570) 2122.85,4602.02 2126.73,4605.9 cw(c2151.41,4581.08) 2151.41,4616.08 2363.02,4616.08 2788.92,4616.08 2863.48,4541.52 2863.48,4346.52 2932.63,4277.37 v1(3083.67,4277.37)
  Bottom Layer w5: v1(3305,3520) v1(3505.12,3484.39)
LDQM: IC1.141 R7.2 U1.15 U2.15 | length 2967.9
  Top Layer w5: v1(2310.19,4532.89) 2311.34,4534.04 2311.34,4608.22 IC1.141@2312.48,4609.37 ; R7.2@2491.73,2961.61 2491.73,2963.58 2521.68,2993.53 2538.4,2993.53 v1(2556.17,3011.3) ; v1(2556.17,3471.93) U1.15@2556.17,3533.77 ; v1@2556.42,3472.17 U1.15@2556.42,3534.02
  Mid-Layer 3 w5: v1(2310.19,4532.89) 2264.2,4542.19 ccw(c2261.15,4527.12) 2251.39,4539 2165.42,4468.37 ccw(c2168.6,4464.51) 2163.6,4464.51 2163.6,3830.97 2112.92,3780.3 ccw(c2116.46,3776.76) 2111.46,3776.76 2111.46,3748.05 2112.96,3011.26 ccw(c2178.34,3011.41) 2178.09,2946.04 2209.48,2945.92 2444.38,2945.73 2488.53,2945.73 ccw(c2488.53,2950.73) 2492.07,2947.19 v1(2556.17,3011.3) v1(2556.17,3471.93)
  Bottom Layer w5: v1@2556.42,3011.54 U2.15@2556.42,3073.39
LDQM1: IC2.141 R9.2 U3.15 U4.15 | length 2860.3
  Top Layer w5: IC2.141@4467.93,4607.13 4468.15,4606.91 4468.15,4554.59 v1(4468.37,4554.37) ; R9.2@4647.24,2960.35 4647.19,2962.32 4677.13,2992.27 4693.86,2992.27 v1(4711.62,3010.04) ; v1@4711.87,3469.93 U3.15@4711.87,3531.83
  Mid-Layer 3 w5: 4323.34,3832.82 cw(c4318.34,3832.91) 4321.87,3829.38 4268.37,3775.83 ccw(c4271.91,3772.3) 4266.91,3772.3 4266.91,3744.72 4268.41,3009.05 4268.41,3008.91 ccw(c4333.79,3009.17) 4333.56,2943.8 4365.01,2943.68 ccw(c4365.12,2973.68) 4365.12,2943.68 4491.29,2943.68 4554.33,2943.84 ccw(c4554.14,3009.21) 4574.6,2947.12 4602.96,2956.46 ccw(c4585.64,3009.05) 4604.08,2956.84 4664.11,2978.05 ccw(c4659.11,2992.19) 4667.28,2979.61 4709.35,3006.93 ccw(c4706.62,3011.12) 4711.17,3009.05 v1(4711.62,3010.04) 4711.62,3009.05 v1(4711.62,3469.68) ; 4323.34,3832.87 4323.37,4390.55 4323.39,4427.33 cw(c4328.4,4427.33) 4324.81,4430.81 ; 4324.83,4430.83 4448.37,4554.37 v1(4468.37,4554.37)
  Bottom Layer w5: v1@4711.87,3009.3 U4.15@4711.87,3071.14
NetC1_1: C1.1 IC1.106 | length 127.8
  Top Layer w5: IC1.106@3020.67,4491.73 3129.53,4491.73 C1.1@3142.91,4505.12
NetC2_1: C2.1 IC2.106 | length 127.8
  Top Layer w5: IC2.106@5176.18,4489.49 5285.04,4489.49 C2.1@5298.43,4502.87
NetC3_2: C3.2 IC1.23 Y1.1 | length 277.5
  Top Layer w5: C3.2@2021.42,4221.61 2021.42,4134.92 Y1.1@2016.42,4129.92 2016.42,4125.98 2055.79,4086.61 2102.91,4086.61 2114.33,4098.03 IC1.23@2175.16,4098.03
NetC4_2: C4.2 IC2.23 Y2.1 | length 277.5
  Top Layer w5: C4.2@4176.93,4219.37 4176.93,4132.68 Y2.1@4171.93,4127.68 4171.93,4123.74 4211.3,4084.37 4258.43,4084.37 4269.84,4095.79 IC2.23@4330.67,4095.79
NetC5_2: C5.2 IC1.24 Y1.3 | length 204.3
  Top Layer w5: C5.2@2079.41,3951.61 Y1.3@2079.41,4043.31 2079.41,4047.24 2100.53,4068.37 2104.47,4068.37 2114.45,4078.35 IC1.24@2175.16,4078.35
NetC6_2: C6.2 IC2.24 Y2.3 | length 204.3
  Top Layer w5: C6.2@4234.92,3949.37 Y2.3@4234.92,4041.06 4234.92,4045 4256.04,4066.12 4259.98,4066.12 4269.96,4076.1 IC2.24@4330.67,4076.1
NetC9_2: C9.2 IC1.71 | length 135.3
  Top Layer w5: IC1.71@2922.91,3764.06 IC1.71@2922.72,3763.86 2922.72,3711.81 2932.91,3701.61 C9.2@3001.42,3701.61
NetC10_2: C10.2 IC2.71 | length 135
  Top Layer w5: IC2.71@5078.23,3761.61 5078.23,3709.57 5088.43,3699.37 C10.2@5156.93,3699.37
NetC67_2: C67.2 IC1.8 Y3.2 | length 307.1
  Top Layer w5: Y3.2@2003.67,4350.46 2003.67,4432.24 C67.2@2013.89,4442.46 ; Y3.2@2006.79,4348 2007.25,4347.54 v1(2052.75,4347.54) ; v1(2116.21,4410.11) 2118.16,4408.15 2126,4408.15 2140.85,4393.31 IC1.8@2175.16,4393.31
  Bottom Layer w5: v1@2053.75,4347.54 2071.44,4347.54 2116.21,4392.31 v1(2116.21,4410.11)
NetC68_2: C68.2 IC1.9 Y3.1 | length 182.6
  Top Layer w5: C68.2@2089.33,4442.79 2089.33,4363.23 2102.09,4350.46 2102.09,4354.47 2121.25,4373.62 IC1.9@2175.16,4373.62
NetIC1_138: IC1.138 R1.1 | length 77.8
  Top Layer w5: IC1.138@2371.54,4609.37 2371.54,4685.24 R1.1@2372.91,4686.61
NetIC2_138: IC2.138 R2.1 | length 79.8
  Top Layer w5: IC2.138@4527.05,4607.13 4527.05,4685.75 R2.1@4527.91,4686.61
NetIC3_3: IC3.3 IC3.7 J4.1 J4.3 | length 374.6
  Top Layer w5: v1(4077,3671) 4090,3684 IC3.3@4090,3726.77 ; J4.3@4085,3438.78 J4.1@4140.12,3438.78 4140,3438.9 IC3.7@4140,3513.23 4139,3514.23 v1(4139,3569)
  Bottom Layer w5: v1(4077,3671) 4138,3610 4138,3570 v1(4139,3569)
NetIC7_1: IC7.1 J5.2 J5.4 | length 486.4
  Top Layer w5: IC7.1@3245,3281.77 3255.3,3309.29 v1(3305,3320) ; J5.4@3317.56,3034.88 J5.2@3317.56,3090 ; J5.4@3323.78,3035 3328.78,3030 v1(3360,3030)
  Mid-Layer 3 w5: v1(3305,3320) 3305,3085 v1(3360,3030)
NetIC7_2: IC7.2 IC7.3 IC7.4 | length 100
  Top Layer w5: IC7.4@3095,3281.77 IC7.2@3195,3281.77
NetIC8_1: IC8.1 J6.2 J6.4 | length 245.9
  Top Layer w8: v1(4184,3231) 4184,3280.77 IC8.1@4185,3281.77 ; v1(4252,3161) 4265,3148 J6.2@4265,3125 J6.4@4265,3069.88
  Bottom Layer w8: v1(4184,3231) 4184,3230 4252,3162 v1(4252,3161)